# Altium PCB PCB_EXP_RS485.PcbDoc
Units mm, origin at the board's own origin, x right, y up, seen from the top; angles counter-clockwise.
Board outline 63 x 22 mm, 2 copper layers (Top Layer, Bottom Layer), stack 1.671 mm thick; 23 components, 20 nets, 85 pads, 16 vias.
Unrouted connection lines stored in the file: 1.
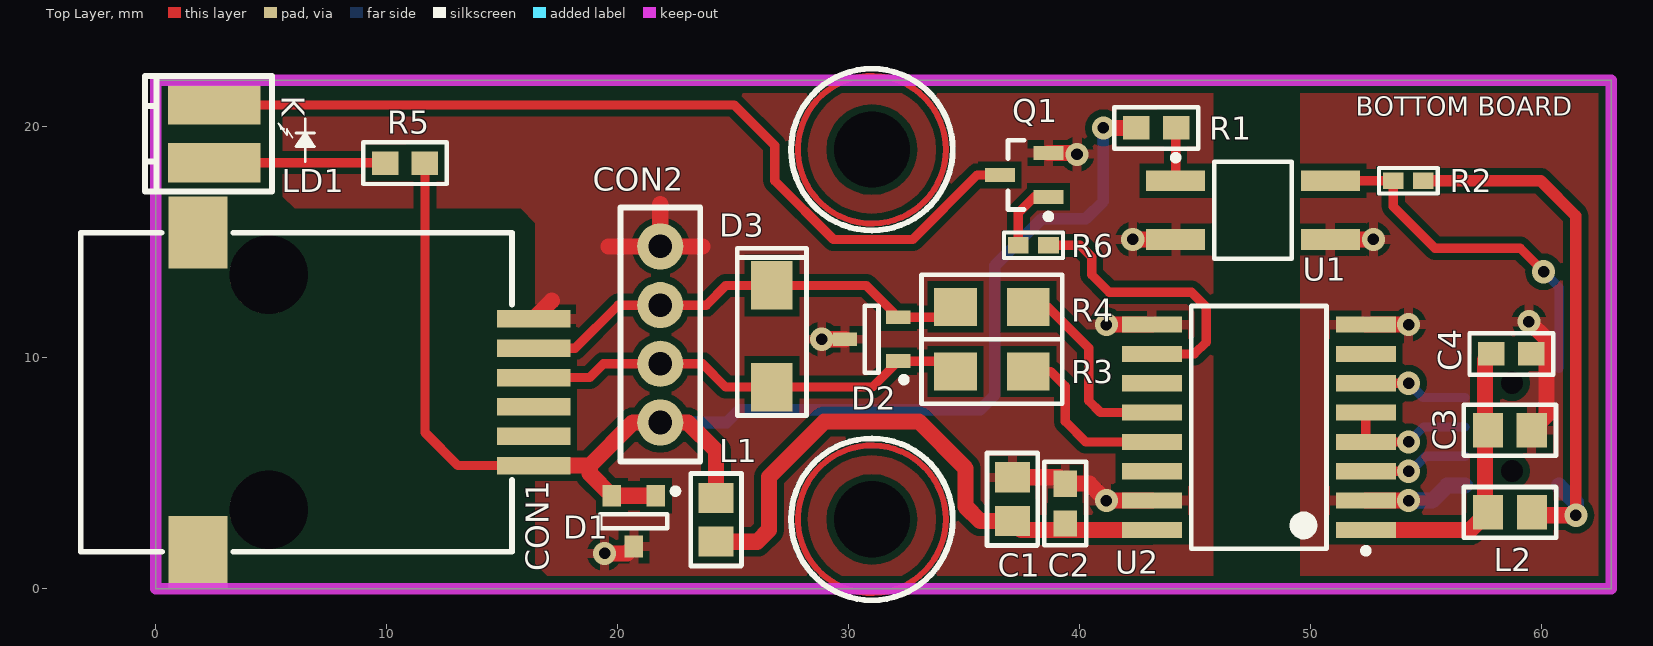
[diagram p0: Top Layer view]
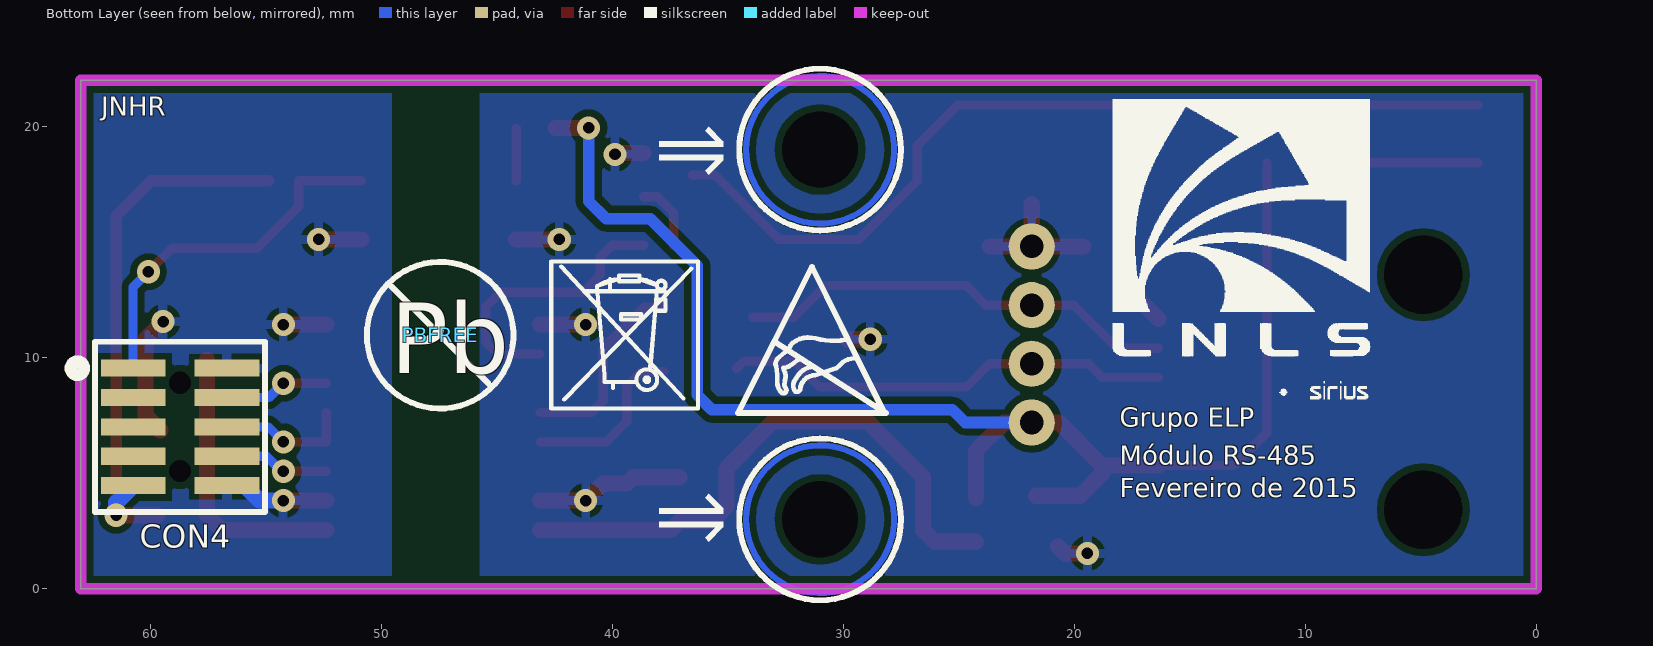
[diagram p1: Bottom Layer view, seen from below]
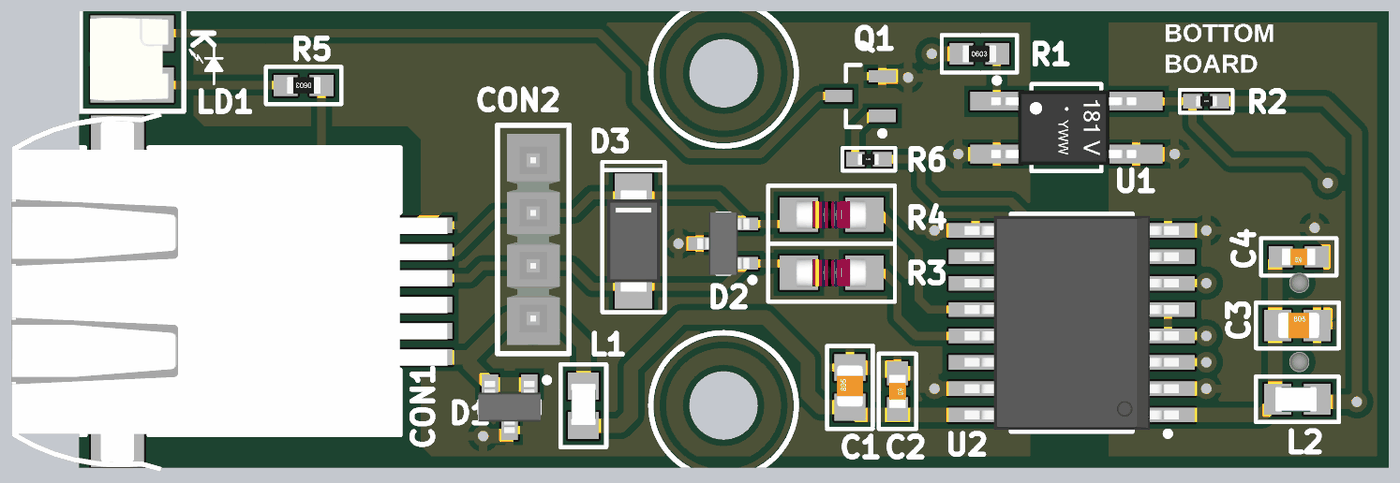
[diagram p2: 3D render of the assembled board from above, using the file's embedded part models]

## Layer stack, top to bottom
Top Layer: signal copper 0.0356
Dielectric: core 1.6, FR-4, Dk 4.8
Bottom Layer: signal copper 0.0356

## Board outline
0,0 63,0 63,22 0,22

## Design rules (kind name [scope] priority, off if disabled: settings)
Clearance [All] p1: gap=0.3
ComponentClearance [All] p1: gap=0 collisioncheckmode=3 verticalgap=0 showdistances=FALSE
PlaneConnect [All] p1: planeconnectstyle=Relief reliefexpansion=0.508 reliefentries=4 reliefconductorwidth=0.4 reliefairgap=0.254
PolygonConnect [All] p1: connectstyle=Relief reliefconductorwidth=0.4 reliefentries=4 polygonreliefangle="90 Angle" airgapwidth=0.254
RoutingVias [All] p1: holewidth=0.711 width=1.27 viastyle="Through Hole" minholewidth=0.711 minwidth=1.27 maxholewidth=0.711 maxwidth=1.27
SolderMaskExpansion [All] p1: expansion=0.102
Width [All] p1: maxlimit=1 minlimit=0.254 preferedwidth=0.254
26 further rules are at their usual default settings.

## Components (designator, comment, footprint, x,y, rotation, side; value= is the part's Value field where it differs from the comment)
C1 "10uF" "0805 cap" 37.084,2.921 r90 top
C2 "100nF" "0603 cap" 39.37,3.683 r270 top
C3 "10uF" "0805 cap" 57.658,6.858 r0 top locked
C4 "100nF" "0603 cap" 58.674,10.16 r180 top
CON1 "133719" "ERNI 133719" 9.1,8.5 r270 top locked
CON2 "DW-04-10-F-S-590" DW-04-10-F-S-590 21.844,11 r270 top locked
CON4 "FTSH-105-04-L-DV-A" FTSH-105-04-L-DV-A 58.7,7 r270 bottom locked
D1 "MMBZ6V2ALT1G" SOT95P230X112-3N 20.701,2.921 r270 top
D2 "SM712" SOT95P237X112-3N 30.988,10.795 r180 top locked
D3 "SMAJ11CA" SMAJ11CA 26.67,10.922 r270 top locked
L1 "220R/100Mhz" "0805 ferrit" 24.257,2.032 r90 top
L2 "220R/100Mhz" "0805 ferrit" 59.563,3.302 r180 top
LD1 "SML-LXR44GC-TR" 2-SMD 2.54,19.685 r270 top locked
PBFREE "" LEAD_FREE_S 47.445,10.968 r180 bottom
Q1 "BC846B" SOT23_N 37.592,17.907 r180 top locked
R1 "499R" "0603 res" 43.307,19.939 r0 top locked
R2 "10K" "0402 res" 54.864,17.653 r180 top
R3 "MMF25SFRE4R75" RES_MMF25SFRE4R75 36.195,9.398 r0 top locked
R4 "MMF25SFRE4R75" RES_MMF25SFRE4R75 36.195,12.192 r0 top locked
R5 "499R" "0603 res" 10.795,18.415 r180 top locked
R6 "10K" "0402 res" 37.338,14.859 r0 top locked
U1 "HCPL-181-000E" HCPL-181-000E 47.498,16.383 r0 top
U2 "IL3685E" SOIC16_Wb 47.752,6.985 r180 top locked

## Footprints (in the part's own frame and the unit in brackets; to place one, negate y for a bottom-side part, rotate by r counter-clockwise, add the part's x,y. Pads: shape width x height; smd on the part's side, far side on the other; paste and mask are expansions set on the pad)
2-SMD [mm] "2-SMD, Boomerang"
  rect 1.7x4 smd: 1(-1.25,0) 2(1.25,0)
  silkscreen extent -2.5,-3 2.5,2.5, body extent -2,-2.03 2,1.73, height 4.03
"0402 res" [mm] "SMD 0402"
  rect 0.9x0.7 smd: 1(0,0) 2(1.3,0)
  silkscreen extent -0.63,-0.55 1.92,0.55, body extent 0.13,-0.25 1.13,0.25, height 0.33
"0603 cap" [mil]
  rect 45x40 smd: 1(-33.96,0) 2(33.97,0)
  silkscreen extent -71,-35 71,36, body extent -31,-16 32,16, height 12
"0603 res" [mil]
  rect 45x40 smd: 1(-33.96,0) 2(33.97,0)
  silkscreen extent -71,-35 71,36, body extent -32,-16 31,16, height 17
"0805 cap" [mm]
  rect 1.3x1.5 smd: 1(1.9,0) 2(0,0)
  silkscreen extent -1.05,-1.1 2.95,1.1, body extent 0.02,-0.62 2.02,0.63, height 0.78
"0805 ferrit" [mm]
  rect 1.3x1.5 smd: 1(1.9,0) 2(0,0)
  silkscreen extent -1.05,-1.1 2.95,1.1, body extent 0.02,-0.6 2.02,0.6, height 0.95
DW-04-10-F-S-590 [mm]
  round 2 hole 1.02 mask+0.076: 1(-3.81,0) 2(-1.27,0) 3(1.27,0) 4(3.81,0)
  silkscreen extent -5.5,-1.73 5.5,1.73, body extent -5.08,-1.27 5.08,1.27, height 18.29
"ERNI 133719" [mm] "RJ11 SMD com shield"
  rect 0.76x3.18 smd: 1(-3.175,7.26) 2(-1.905,7.26) 3(-0.635,7.26) 4(0.635,7.26) 5(1.905,7.26) 6(3.175,7.26)
  round 3.35 hole 3.4 unplated: S1(-5.08,-4.21) S1(5.08,-4.21)
  rect 3.12x2.54 smd: SH(-6.905,-7.26) SH(6.905,-7.26)
  silkscreen extent -6.9,-12.34 6.91,6.33, body extent -8.64,-12.34 8.69,8.63, height 13.79
FTSH-105-04-L-DV-A [mil]
  rect 29x110 smd mask+2: 1(-100,-80) 2(-100,80) 3(-50,-80) 4(-50,80) 5(0,-80) 6(0,80) 7(50,-80) 8(50,80) 9(100,-80) 10(100,80)
  round 0 hole 38 unplated: MH1(-75,0) MH2(75,0)
  silkscreen extent -145,-186 145,145, body extent -125,-115 125,115, height 265
HCPL-181-000E [mm]
  rect 2.55x0.9 smd: 1(-3.35,1.27) 2(-3.35,-1.27) 3(3.35,-1.27) 4(3.35,1.27)
  silkscreen extent -3.47,-2.1 1.67,2.39, body extent -3.63,-1.8 3.37,1.8, height 2.1
LEAD_FREE_S [mm]
  silkscreen extent -3.17,-3.17 3.17,3.17
RES_MMF25SFRE4R75 [mm]
  rect 1.85x1.65 smd: 1(-1.575,0) 2(1.575,0)
  silkscreen extent -3.05,-1.4 3.05,1.4, body extent -1.71,-0.71 1.69,0.69, height 1.4
SMAJ11CA [mm]
  rect 2.1x1.8 smd: A(2.2,0) K(-2.2,0)
  silkscreen extent -3.81,-1.5 3.43,1.5, body extent -2.46,-1.27 2.47,1.27, height 2
SOIC16_Wb [mm]
  rect 2.6x0.7 smd: 1(-4.625,4.445) 2(-4.625,3.175) 3(-4.625,1.905) 4(-4.625,0.635) 5(-4.625,-0.635) 6(-4.625,-1.905) 7(-4.625,-3.175) 8(-4.625,-4.445) 9(4.625,-4.445) 10(4.625,-3.175) 11(4.625,-1.905) 12(4.625,-0.635) 13(4.625,0.635) 14(4.625,1.905) 15(4.625,3.175) 16(4.625,4.445)
  silkscreen extent -4.75,-5.25 2.93,5.47, body extent -5.15,-5.15 5.15,5.15, height 2.65
SOT23_N [mm] "SOT23, 3-Leads, Body 2.9x1.3mm, Pitch 0.95mm, Lead Span 2.3mm, IPC Medium Density"
  rect 1.3x0.6 smd: 1(-1.05,0.95) 2(-1.05,-0.95) 3(1.05,0)
  silkscreen extent -1.18,-1.5 0.7,1.92, body extent -0.7,-1.5 0.7,1.5, height 1.1
SOT95P230X112-3N [mm] "SOT23 3-Leads, Pitch 0.95mm - Body 1.3x2.86mm, IPC Medium Density"
  rect 0.95x0.8 smd: 1(-1.1,0.95) 2(-1.1,-0.95) 3(1.1,0)
  silkscreen extent -1.42,-1.45 0.3,1.92, body extent -1.25,-1.5 1.25,1.5, height 1.1
SOT95P237X112-3N [mm] "SOT, 0.95mm, pitch; 3 pin,1.30mm W X 2.92mm L X 1.12mm H body, IPC Medium Density"
  rect 1.05x0.6 smd: 1(-1.15,0.95) 2(-1.15,-0.95) 3(1.15,0)
  silkscreen extent -1.53,-1.45 0.3,1.87, body extent -1.25,-1.5 1.25,1.5, height 1.1

## Part data
C1 C3: library part "Cap Ceram 0805", "CAP CER 10UF 35V 10% X5R 0805"
C2 C4: library part "Cap Ceram 0603", "CAP CER 0.1UF 50V 10% X7R 0603"
CON1: "Conector RJ11 SMD, Shielded, EMI Finger"
CON2: "BOARD SPACING MICRO STRIPS."
CON4: "0.050 INCH DOUBLE VERTICAL SMT TERMINAL STIP."
D1: "TVS DIODE 3VWM 8.7VC SOT23"
D2: "Asymmetrical TVS Diode for Extended Common-Mode RS-485"
D3: "Transient Voltage Suppressor Diode (Bi-Directional) 11V 400W BIDIR 5% SMA"
L1 L2: library part "Ferrite Bead 0805", "FERRITE BEAD,SMD 0805,220 OHMS"
LD1: "LED GREEN CLR LENS RA SMD 565NM"
Q1: "NPN General-purpose Transistor"
R1 R5: library part "Resistor 0603", "RES 499 OHM 1/10W 1% 0603 SMD"
R2 R6: library part "Resistor 0402", "RES 10K OHM 1/16W 5% 0402 SMD"
R3 R4: library part "Resistor MELF 0204", "RES SMD 4.75 OHM 1% 1/4W MELF"
U1: "OPTOISO 3.75KV TRANSISTOR 4SOIC"
U2: "PROFIBUS RS-485 INTERFACE ISO"

## Free pads (board coordinates)
  round 0 hole 3.3 unplated: MEC(31,3) MEC(31,19)

## Via types
v1: diameter 1, hole 0.5, Top Layer to Bottom Layer, tented both sides, 16 vias

## Nets (pads, with @x,y where several pads share a name; then routed paths per layer and width w, separated by ;. In a path a pad name is that pad's centre, name@x,y a point inside that pad or via, vN(x,y) a via of type N, cw(c..) or ccw(c..) an arc to the next point about the centre after c; other vN are vias at no path point)
GND: C3.1 C4.1 CON4.2 CON4.10 U1.3 U2.2 U2.8 | length 13.5
  Top Layer w0.7: U1.3 v1(52.705,15.113) ; U2.2 v1(54.229,3.81) ; U2.8 v1(54.229,11.43) ; v1(59.436,11.557) 60.198,10.795 60.198,7.498 C3.1
  Bottom Layer w0.7: v1(54.229,3.81) 55.245,3.81 55.895,4.46 CON4.10
GND_EARTH: CON1.SH
GND_ISO: C1.1 C2.1 CON1.1 CON2.1 D1.3 D2.3 Q1.2 U1.2 U2.9 U2.15 | length 20.9
  Top Layer w0.7: CON1.1 17.145,12.46 ; v1(19.431,1.524) 20.404,1.524 D1.3 ; 19.607,14.81 CON2.1 ; 21.844,16.637 CON2.1 ; 23.671,14.81 CON2.1 ; v1(28.829,10.795) D2.3 ; C1.1 39.095,4.821 C2.1 40.412,4.546 v1(41.148,3.81) U2.15 ; Q1.2 v1@39.817,18.857 ; v1(41.148,11.43) U2.9 ; v1(42.291,15.113) U1.2
  other v1: 39.878,18.796
NetC1_2: C1.2 C2.2 L1.2 U2.16 | length 25.3
  Top Layer w0.7: L1.2 26.035,2.032 26.543,2.54 26.543,4.826 28.956,7.239 33.02,7.239 35.052,5.207 35.052,3.556 35.687,2.921 C1.2 37.465,2.54 U2.16
NetC3_2: C3.2 C4.2 L2.1 U2.1 | length 12.2
  Top Layer w0.7: U2.1 56.901,2.54 57.531,3.17 C4.2@57.531,9.906
NetLD1_1: LD1.1 Q1.3 | length 38.5
  Top Layer w0.4: LD1.1 25.039,20.935 26.797,19.177 26.797,17.653 29.337,15.113 32.766,15.113 35.56,17.907 Q1.3
NetLD1_2: LD1.2 R5.2 | length 7.4
  Top Layer w0.4: LD1.2 R5.2@9.912,18.435
NetQ1_1: Q1.1 R6.1 | length 3
  Top Layer w0.4: R6.1 37.338,16.256 38.039,16.957 Q1.1
NetR1_2: R1.2 U1.1 | length 2.3
  Top Layer w0.4: U1.1 R1.2@44.148,19.917
NetR3_2: R3.2 U2.13 | length 7.5
  Top Layer w0.4: R3.2 38.735,9.398 39.37,8.763 39.37,7.239 40.259,6.35 U2.13
NetR4_2: R4.2 U2.12 | length 8.6
  Top Layer w0.4: R4.2 38.608,12.192 40.386,10.414 40.386,8.128 40.894,7.62 U2.12
RS485_A: CON1.2 CON2.2 D2.2 D3.K R4.1 | length 19.3
  Top Layer w0.4: CON1.2 18.152,10.405 20.017,12.27 CON2.2 23.827,12.27 24.679,13.122 D3.K 30.761,13.122 D2.2 R4.1@33.919,11.745
RS485_ATT: CON4.1 R2.2 U1.4 | length 16
  Top Layer w0.4: U1.4 R2.2 53.564,16.54 55.372,14.732 59.055,14.732 v1(60.071,13.716)
  Bottom Layer w0.4: v1(60.071,13.716) 60.732,13.055 CON4.1
RS485_B: CON1.3 CON2.3 D2.1 D3.A R3.1 | length 19.5
  Top Layer w0.4: CON1.3 18.787,9.135 19.382,9.73 CON2.3 23.671,9.73 24.679,8.722 D3.A 31.015,8.722 D2.1 34.3,9.845 R3.1@34.62,9.525
RS485_RD: CON4.6 U2.4 U2.5 | length 5.8
  Top Layer w0.4: U2.5 U2.4 v1(54.229,6.35)
  Bottom Layer w0.4: v1(54.229,6.35) 54.879,7 CON4.6
RS485_RX: CON4.8 U2.3 | length 4.6
  Top Layer w0.4: U2.3 v1(54.229,5.08)
  Bottom Layer w0.4: v1(54.229,5.08) 54.308,5.08 54.958,5.73 CON4.8
RS485_TX: CON4.4 U2.6 | length 4.5
  Top Layer w0.4: U2.6 v1(54.229,8.89)
  Bottom Layer w0.4: v1(54.229,8.89) 54.849,8.27 CON4.4
RS485_TX_LED: R6.2 U2.10 | length 12.5
  Top Layer w0.4: R6.2 40.005,14.859 40.513,14.351 40.513,13.589 41.275,12.827 44.831,12.827 45.466,12.192 45.466,10.668 44.958,10.16 U2.10
VDD3V3: CON4.9 L2.2 R2.1 | length 23.6
  Top Layer w0.5: R2.1 59.944,17.653 61.468,16.129 v1(61.468,3.175)
  Top Layer w0.7: L2.2@59.69,3.175 v1(61.468,3.175)
  Bottom Layer w0.7: CON4.9 61.468,3.724 v1(61.468,3.175)
VDD5V_ISO: CON1.6 CON2.4 D1.1 D1.2 L1.1 R1.1 R5.1 | length 62.8
  Top Layer w0.4: R5.1 11.658,6.757 13.09,5.325 CON1.6
  Top Layer w0.7: CON1.6 18.787,5.325 ; D1.1 D1.2 18.787,4.985 18.787,5.325 ; L1.1 24.257,5.969 23.036,7.19 CON2.4 20.652,7.19 18.787,5.325 ; v1(41.021,19.939) R1.1
  Bottom Layer w0.5: CON2.4 24.716,7.19 25.273,7.747 35.687,7.747 36.322,8.382 36.322,13.97 38.354,16.002 40.259,16.002 41.021,16.764 v1(41.021,19.939)
pads on no net: CON1.4 CON1.5 CON1.S1 CON4.3 CON4.5 CON4.7 CON4.MH1 CON4.MH2 U2.7 U2.11 U2.14

## Polygon pours and split planes (outlines as drawn)
GND_ISO on Bottom Layer "Mechanical 14-No Net" (solid, pour order 2): 0.019,21.957 45.739,21.957 45.739,-0.043 0.019,-0.043
GND on Bottom Layer "Mechanical 14-No Net" (solid, pour order 10): 49.53,22 63,22 63,0 49.53,0
GND on Top Layer "Mechanical 14-No Net" (solid, pour order 8): 49.53,22 63,22 63,0 49.53,0
GND_ISO on Top Layer "Mechanical 14-No Net" (solid, pour order 14): 5.507,22.453 5.507,16.963 6.015,16.455 15.794,16.455 16.429,15.82 16.429,1.596 16.429,1.088 17.064,0.453 45.766,0.453 45.766,22.453

## Keep-outs
Keep-Out Layer:
  the board outline again, w0.5

## Other copper
Multi-Layer:
  circle w0.254: c31,19 r3.2
  circle w0.254: c31,3 r3.2

## Silkscreen, mask and mechanical layers (free items; w line width, h text height)
Top Overlay:
  circle w0.254: c31,3 r3.5
  circle w0.254: c31,19 r3.5
  lines w0.076: 5.432,19.89 5.305,20.144 ; 5.559,19.89 5.305,20.144 ; 5.94,19.509 5.686,19.89 5.686,19.636 5.305,20.144
  lines w0.127: 6.07,19.727 6.87,19.727 ; 6.244,19.167 6.47,19.727 ; 6.384,19.177 6.494,19.727 ; 6.437,19.127 6.437,19.727 ; 6.447,19.727 6.557,19.177 ; 6.477,18.494 6.477,19.127 ; 6.477,19.727 6.477,20.32 ; 6.697,19.167 6.47,19.727 ; 6.47,19.727 6.07,19.127 6.87,19.127 6.47,19.727
  text "BOTTOM BOARD" at 51.943,20.193 h1.4
Bottom Overlay:
  drawing of 132 lines, arcs and shapes, not listed
  text "JNHR" at 62.103,20.193 h1.4
  text "Grupo ELP" at 18.034,6.731 h1.4
  text "Módulo RS-485" at 18.034,5.08 h1.4
  text "Fevereiro de 2015" at 18.034,3.683 h1.4

## Text inside footprints (layer, text, board x,y; h text height)
CON4: Mechanical 1 "J1" at 59.208,7.497 h0.76 r90
LD1: Top Overlay "K" at 5.461,21.336 h1 r270
PBFREE: Bottom Overlay "Pb" at 49.604,9.317 h3.05